# KiCad board raven.kicad_pcb
title: Raven 68060; date: 2024; rev: A0; company: Licensed under CERN-OHL-W v2; note: (c) 2024 Anders Granlund
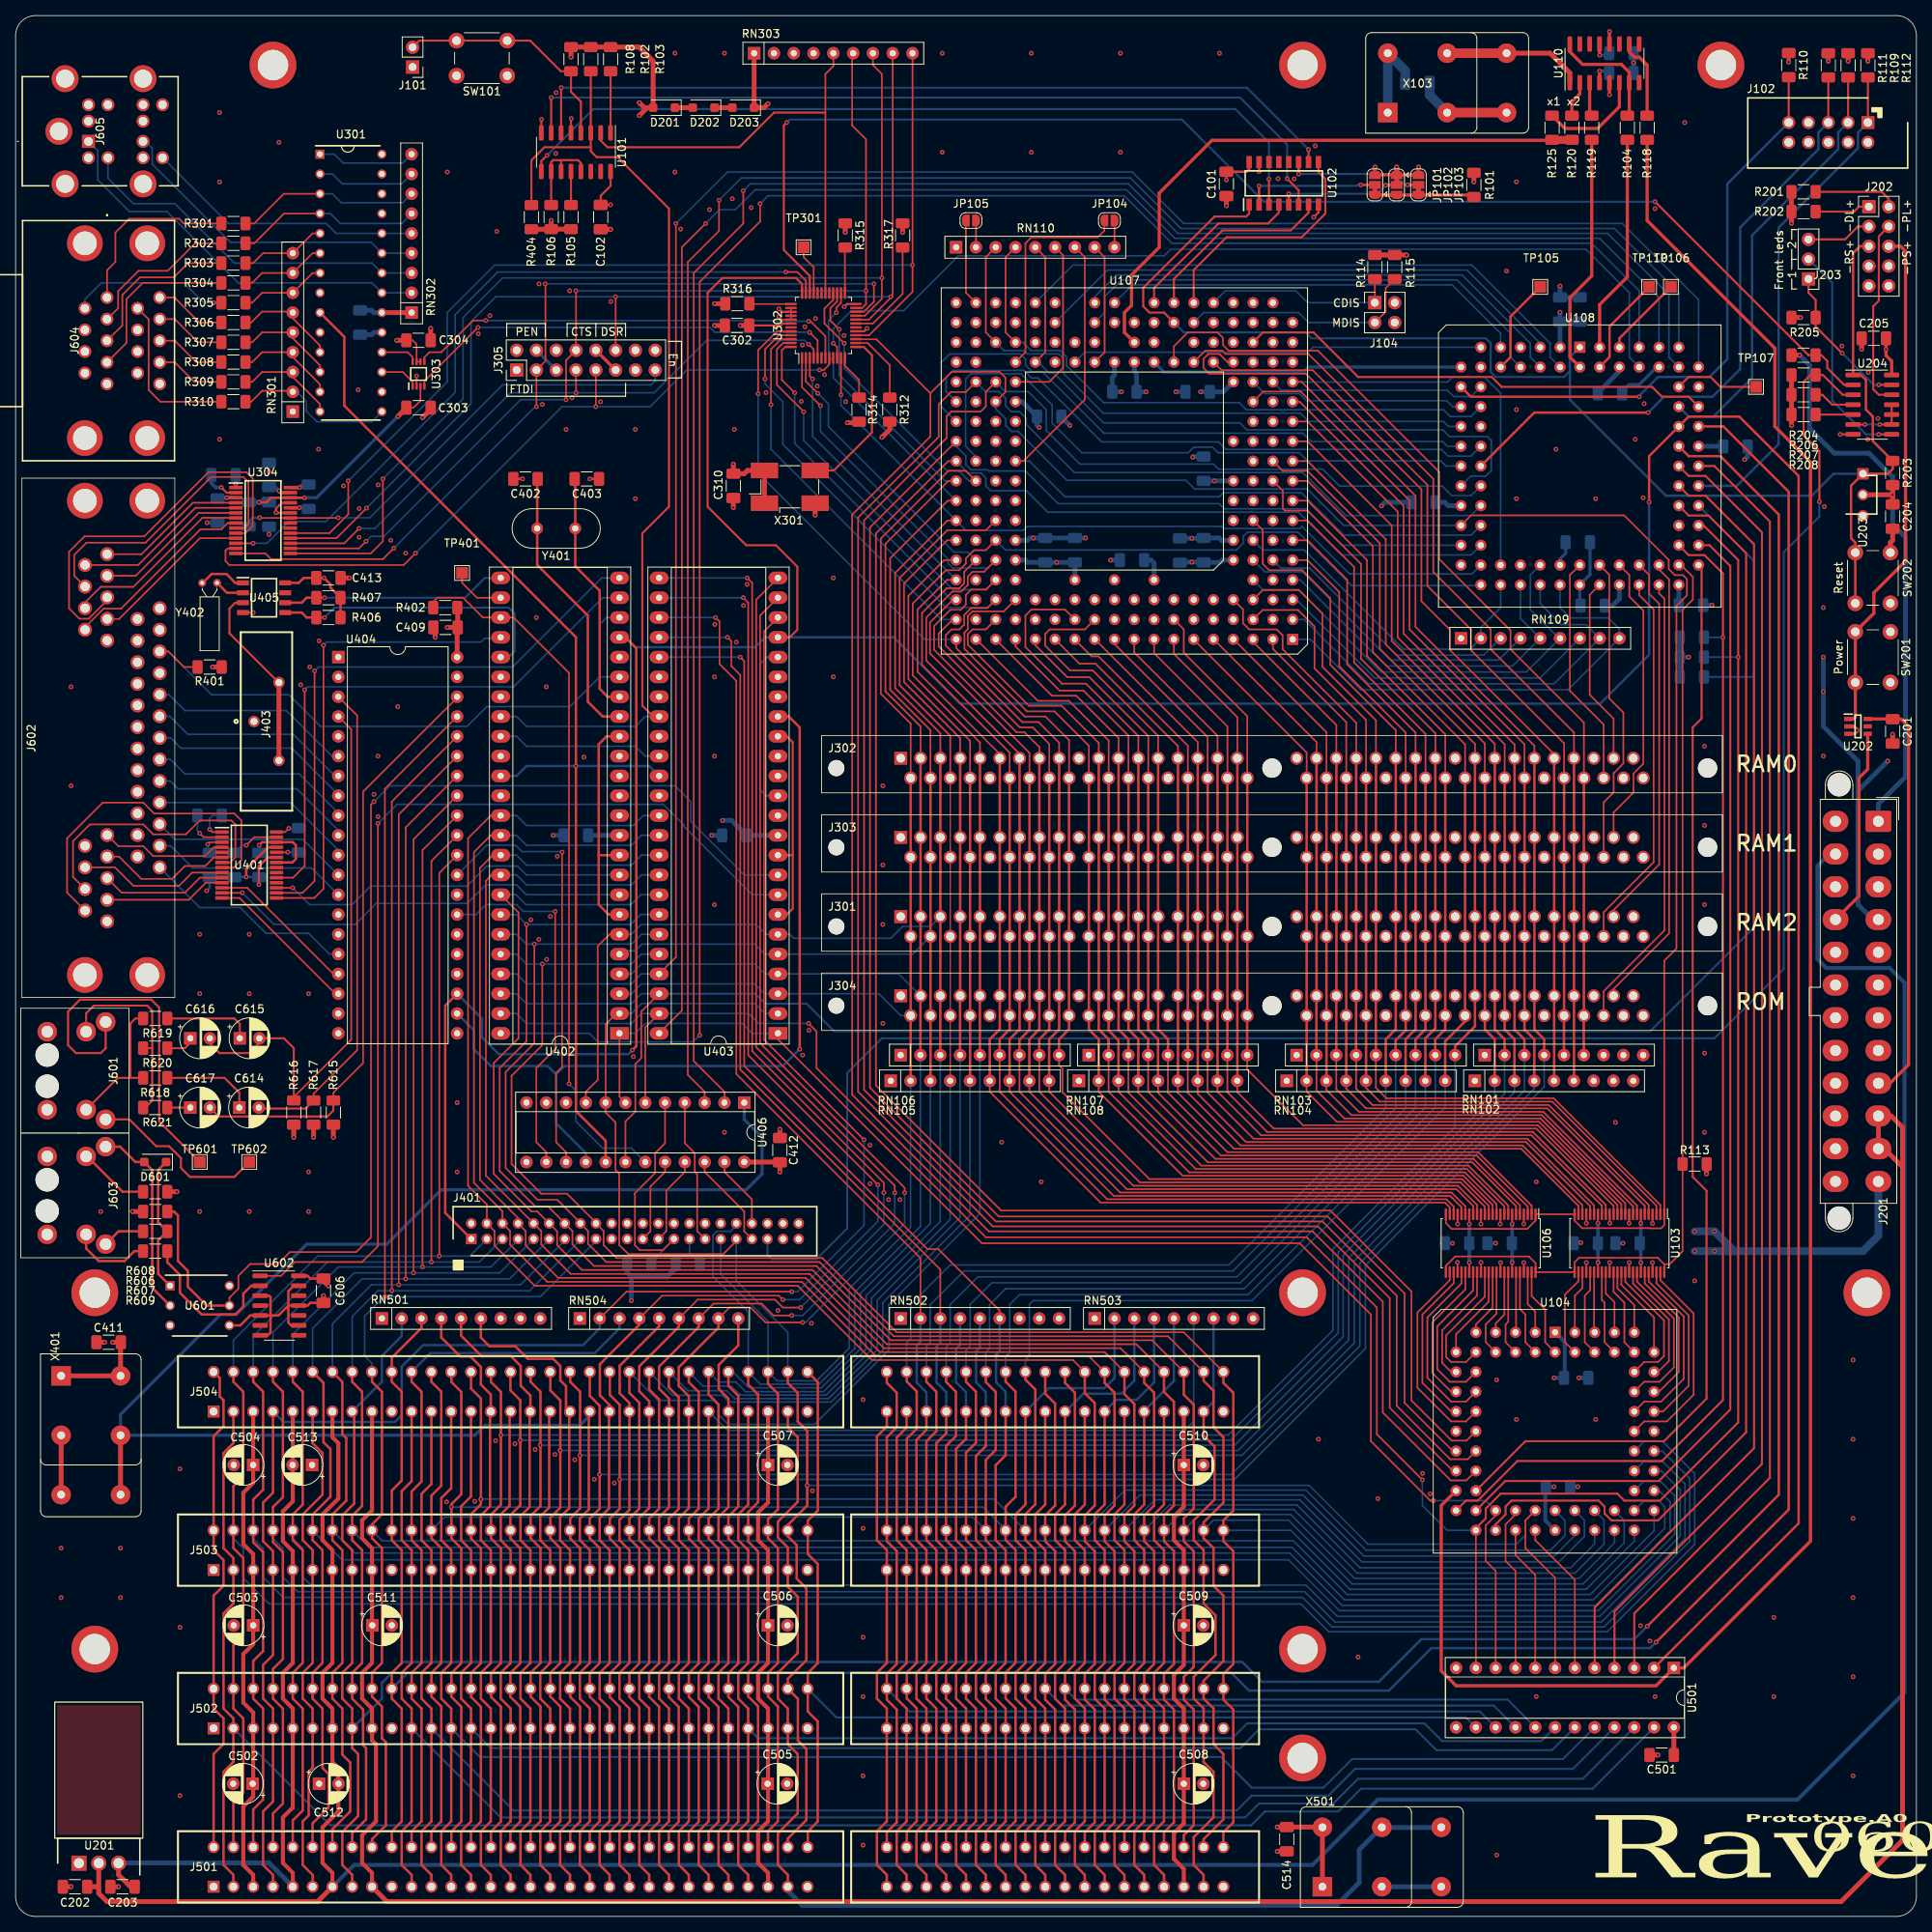
[diagram p0: board, top side]
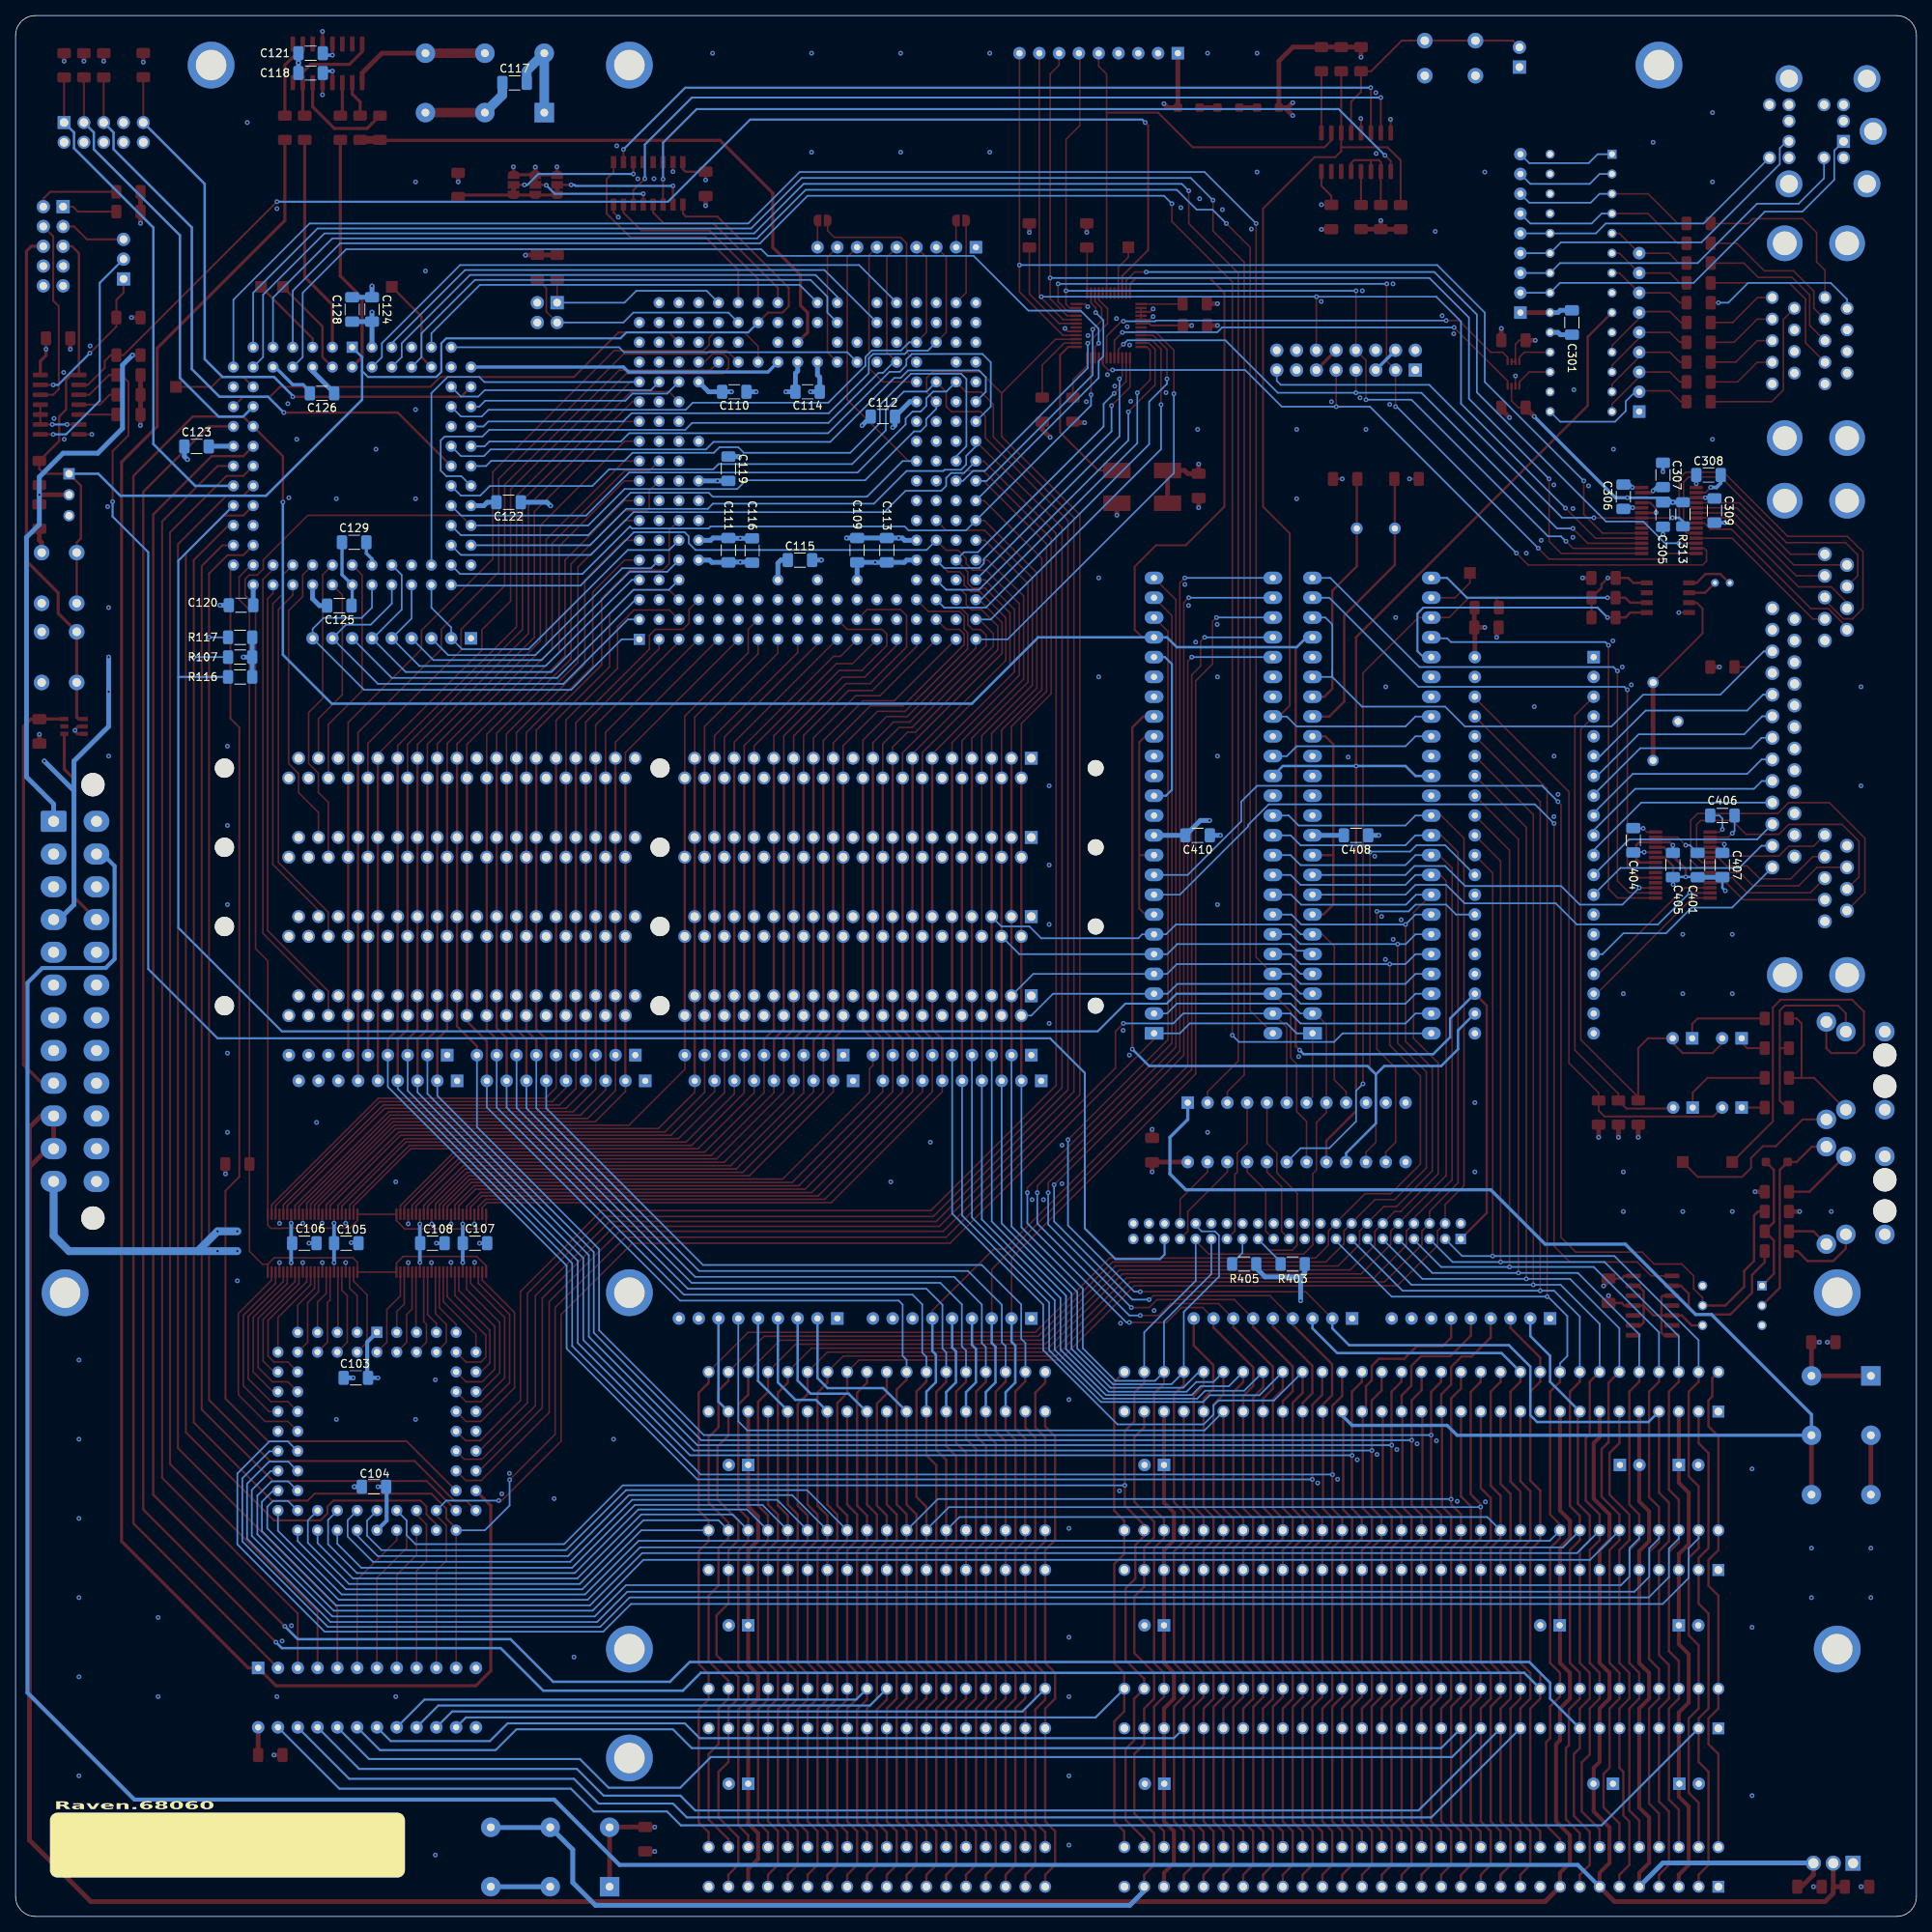
[diagram p1: board, bottom side, seen from below]

Outline 243.84 x 243.84 mm; copper layers: Top, In1.Cu (plane), In2.Cu (plane), In3.Cu, In4.Cu, Bottom. Coordinates in mm from the lower left corner of the outline.
Outline path: 0,241.3 0,2.54 arc(0.74,0.74) 2.54,0 241.3,0 arc(243.1,0.74) 243.84,2.54 243.84,241.3 arc(243.1,243.1) 241.3,243.84 2.54,243.84 arc(0.74,243.1) 0,241.3
Stack: Top 0.035mm / dielectric 0.0994mm FR4 er 4.5 / In1.Cu 0.0152mm / dielectric 0.55mm FR4 er 4.5 / In2.Cu 0.0152mm / dielectric 0.1088mm FR4 er 4.5 / In3.Cu 0.0152mm / dielectric 0.55mm FR4 er 4.5 / In4.Cu 0.0152mm / dielectric 0.0994mm FR4 er 4.5 / Bottom 0.035mm

## Placement (name value [footprint] x y rotation side)
C101  0.1u  [C_1206_3216Metric_Pad1.33x1.80mm_HandSolder]  155.32 222.25 270 top
C102  0.1u  [C_1206_3216Metric_Pad1.33x1.80mm_HandSolder]  75.06 217.99 270 top
C103  0.1u  [C_1206_3216Metric_Pad1.33x1.80mm_HandSolder]  200.19 69.09 0 bottom
C104  0.1u  [C_1206_3216Metric_Pad1.33x1.80mm_HandSolder]  197.87 55.12 0 bottom
C105  0.1u  [C_1206_3216Metric_Pad1.33x1.80mm_HandSolder]  201.42 86.36 180 bottom
C106  0.1u  [C_1206_3216Metric_Pad1.33x1.80mm_HandSolder]  206.79 86.36 180 bottom
C107  0.1u  [C_1206_3216Metric_Pad1.33x1.80mm_HandSolder]  184.91 86.36 180 bottom
C108  0.1u  [C_1206_3216Metric_Pad1.33x1.80mm_HandSolder]  190.37 86.36 180 bottom
C109  1u  [C_1206_3216Metric_Pad1.33x1.80mm_HandSolder]  135.89 175.26 270 bottom
C110  0.1u  [C_1206_3216Metric_Pad1.33x1.80mm_HandSolder]  151.64 195.58 0 bottom
C111  0.1u  [C_1206_3216Metric_Pad1.33x1.80mm_HandSolder]  152.4 175.26 270 bottom
C112  0.1u  [C_1206_3216Metric_Pad1.33x1.80mm_HandSolder]  132.59 192.41 180 bottom
C113  0.1u  [C_1206_3216Metric_Pad1.33x1.80mm_HandSolder]  132.08 175.26 270 bottom
C114  0.1u  [C_1206_3216Metric_Pad1.33x1.80mm_HandSolder]  142.24 195.58 180 bottom
C115  0.1u  [C_1206_3216Metric_Pad1.33x1.80mm_HandSolder]  143.22 173.99 0 bottom
C116  1u  [C_1206_3216Metric_Pad1.33x1.80mm_HandSolder]  149.35 175.22 270 bottom
C117  0.1u  [C_1206_3216Metric_Pad1.33x1.80mm_HandSolder]  179.83 235.2 180 bottom
C118  0.1u  [C_1206_3216Metric_Pad1.33x1.80mm_HandSolder]  205.99 239.01 180 bottom
C119  0.1u  [C_1206_3216Metric_Pad1.33x1.80mm_HandSolder]  152.4 185.71 270 bottom
C120  0.1u  [C_1206_3216Metric_Pad1.33x1.80mm_HandSolder]  214.92 168.2 180 bottom
C121  0.1u  [C_1206_3216Metric_Pad1.33x1.80mm_HandSolder]  205.99 236.47 180 bottom
C122  0.1u  [C_1206_3216Metric_Pad1.33x1.80mm_HandSolder]  180.59 181.41 0 bottom
C123  0.1u  [C_1206_3216Metric_Pad1.33x1.80mm_HandSolder]  220.62 188.57 180 bottom
C124  0.1u  [C_1206_3216Metric_Pad1.33x1.80mm_HandSolder]  198.12 206.15 270 bottom
C125  0.1u  [C_1206_3216Metric_Pad1.33x1.80mm_HandSolder]  202.31 168.15 180 bottom
C126  0.1u  [C_1206_3216Metric_Pad1.33x1.80mm_HandSolder]  204.53 195.38 0 bottom
C128  1u  [C_1206_3216Metric_Pad1.33x1.80mm_HandSolder]  200.66 206.15 270 bottom
C129  1u  [C_1206_3216Metric_Pad1.33x1.80mm_HandSolder]  200.41 176.28 0 bottom
C201  0.1u  [C_1206_3216Metric_Pad1.33x1.80mm_HandSolder]  240.79 152.02 270 top
C202  0.1u  [C_1206_3216Metric_Pad1.33x1.80mm_HandSolder]  7.62 3.81 180 top
C203  0.1u  [C_1206_3216Metric_Pad1.33x1.80mm_HandSolder]  13.72 3.81 180 top
C204  0.1u  [C_1206_3216Metric_Pad1.33x1.80mm_HandSolder]  240.79 179.58 270 top
C205  0.1u  [C_1206_3216Metric_Pad1.33x1.80mm_HandSolder]  238.38 202.44 180 top
C301  0.1u  [C_1206_3216Metric_Pad1.33x1.80mm_HandSolder]  44.2 204.47 90 bottom
C302  0.1u  [C_1206_3216Metric_Pad1.33x1.80mm_HandSolder]  92.54 204.09 180 top
C303  0.1u  [C_1206_3216Metric_Pad1.33x1.80mm_HandSolder]  51.69 193.55 180 top
C304  0.1u  [C_1206_3216Metric_Pad1.33x1.80mm_HandSolder]  51.69 202.18 0 top
C305  0.1u  [C_1206_3216Metric_Pad1.33x1.80mm_HandSolder]  32.51 179.83 270 bottom
C306  0.1u  [C_1206_3216Metric_Pad1.33x1.80mm_HandSolder]  37.59 182.12 90 bottom
C307  0.1u  [C_1206_3216Metric_Pad1.33x1.80mm_HandSolder]  32.51 184.91 90 bottom
C308  0.1u  [C_1206_3216Metric_Pad1.33x1.80mm_HandSolder]  26.67 184.91 0 bottom
C309  0.1u  [C_1206_3216Metric_Pad1.33x1.80mm_HandSolder]  25.91 180.34 270 bottom
C310  0.01u  [C_1206_3216Metric_Pad1.33x1.80mm_HandSolder]  92.07 183.52 270 top
C401  0.1u  [C_1206_3216Metric_Pad1.33x1.80mm_HandSolder]  31.24 134.87 270 bottom
C402  33p  [C_1206_3216Metric_Pad1.33x1.80mm_HandSolder]  65.41 184.4 0 top
C403  33p  [C_1206_3216Metric_Pad1.33x1.80mm_HandSolder]  73.28 184.4 180 top
C404  0.1u  [C_1206_3216Metric_Pad1.33x1.80mm_HandSolder]  36.32 138.05 90 bottom
C405  0.1u  [C_1206_3216Metric_Pad1.33x1.80mm_HandSolder]  28.07 134.87 270 bottom
C406  0.1u  [C_1206_3216Metric_Pad1.33x1.80mm_HandSolder]  24.89 141.22 0 bottom
C407  0.1u  [C_1206_3216Metric_Pad1.33x1.80mm_HandSolder]  24.89 134.87 270 bottom
C408  0.1u  [C_1206_3216Metric_Pad1.33x1.80mm_HandSolder]  71.88 138.68 0 bottom
C409  0.1u  [C_1206_3216Metric_Pad1.33x1.80mm_HandSolder]  55.16 165.35 180 top
C410  0.1u  [C_1206_3216Metric_Pad1.33x1.80mm_HandSolder]  92.2 138.68 0 bottom
C411  0.1u  [C_1206_3216Metric_Pad1.33x1.80mm_HandSolder]  11.94 73.66 0 top
C412  0.1u  [C_1206_3216Metric_Pad1.33x1.80mm_HandSolder]  98.04 98.3 90 top
C413  0.1u  [C_1206_3216Metric_Pad1.33x1.80mm_HandSolder]  40.13 171.7 180 top
C501  0.1u  [C_1206_3216Metric_Pad1.33x1.80mm_HandSolder]  211.16 20.7 180 top
C502  10u  [CP_Radial_D5.0mm_P2.50mm]  30.42 17.02 180 top
C503  10u  [CP_Radial_D5.0mm_P2.50mm]  30.48 37.34 180 top
C504  10u  [CP_Radial_D5.0mm_P2.50mm]  30.48 57.91 180 top
C505  10u  [CP_Radial_D5.0mm_P2.50mm]  96.48 17.02 0 top
C506  10u  [CP_Radial_D5.0mm_P2.50mm]  96.52 37.34 0 top
C507  10u  [CP_Radial_D5.0mm_P2.50mm]  96.52 57.91 0 top
C508  10u  [CP_Radial_D5.0mm_P2.50mm]  149.86 17.02 0 top
C509  10u  [CP_Radial_D5.0mm_P2.50mm]  149.86 37.34 0 top
C510  10u  [CP_Radial_D5.0mm_P2.50mm]  149.86 57.91 0 top
C511  10u  [CP_Radial_D5.0mm_P2.50mm]  45.76 37.34 0 top
C512  10u  [CP_Radial_D5.0mm_P2.50mm]  38.93 17.02 0 top
C513  10u  [CP_Radial_D5.0mm_P2.50mm]  38.04 57.91 180 top
C514  0.1u  [C_1206_3216Metric_Pad1.33x1.80mm_HandSolder]  163.07 9.91 90 top
C606  0.1u  [C_1206_3216Metric_Pad1.33x1.80mm_HandSolder]  39.5 80.26 270 top
C614  4u7  [CP_Radial_D5.0mm_P2.50mm]  28.7 103.76 0 top
C615  4u7  [CP_Radial_D5.0mm_P2.50mm]  28.77 112.65 0 top
C616  4u7  [CP_Radial_D5.0mm_P2.50mm]  22.42 112.65 0 top
C617  4u7  [CP_Radial_D5.0mm_P2.50mm]  22.42 103.76 0 top
D201  1A 50V  [D_SOD-123F]  83.18 232.03 180 top
D202  1A 50V  [D_SOD-123F]  88.26 232.03 180 top
D203  1A 50V  [D_SOD-123F]  93.34 232.03 180 top
D601  1N914  [D_SOD-123F]  17.91 96.77 180 top
H601  MountingHole_Pad-Mechanical  [ATX_hole]  10.16 34.29 90 top
H602  MountingHole_Pad-Mechanical  [ATX_hole]  165.1 34.29 90 top
H603  MountingHole_Pad-Mechanical  [ATX_hole]  10.16 80.01 90 top
H604  MountingHole_Pad-Mechanical  [ATX_hole]  165.1 80.01 90 top
H605  MountingHole_Pad-Mechanical  [ATX_hole]  33.02 237.49 90 top
H606  MountingHole_Pad-Mechanical  [ATX_hole]  165.1 237.49 90 top
H607  MountingHole_Pad-Mechanical  [ATX_hole]  165.1 20.32 90 top
H608  MountingHole_Pad-Mechanical  [ATX_hole]  237.49 80.01 90 top
H609  MountingHole_Pad-Mechanical  [ATX_hole]  218.76 237.49 90 top
J101  Conn_01x02  [PinHeader_1x02_P2.54mm_Vertical]  50.93 237.24 180 top
J102  JTAG IN  [SHDR10W64P254_2X5_2036X885X925P]  237.62 230.12 180 top
J104  Conn_02x02  [PinHeader_2x02_P2.54mm_Vertical]  174.37 207.01 0 top
J201  ATX Power  [ATX_pwr24]  238.96 140.48 270 top
J202  Conn_02x08  [PinHeader_2x05_P2.54mm_Vertical]  237.74 219.33 0 top
J203  Conn_01x03  [PinHeader_1x03_P2.54mm_Vertical]  230 210.06 180 top
J301  SIMM72  [SIMM72_v_lpol]  113.55 128.26 0 top
J302  SIMM72  [SIMM72_v_lpol]  113.55 148.58 0 top
J303  SIMM72  [SIMM72_v_lpol]  113.55 138.42 0 top
J304  SIMM72  [SIMM72_v_lpol]  113.55 118.1 0 top
J305  Conn_02x08  [PinHeader_2x08_P2.54mm_Vertical]  64.28 198.37 90 top
J401  IDE44  [SHDR44W55P200_2X22_4665X630X640P]  58.45 86.9 0 top
J403  -  [S8401-46]  32.18 153.29 90 top
J501  -  [ISA16]  90.17 6.35 180 top
J502  -  [ISA16]  90.17 26.67 180 top
J503  -  [ISA16]  90.17 46.99 180 top
J504  -  [ISA16]  90.17 67.31 180 top
J601  STX-4235-33  [STX4235-33]  9.05 108.49 270 top
J602  DB25/9/9  [L17H26R0121]  18.48 167.81 270 top
J603  STX-4235-33  [STX4235-33]  9.05 92.49 270 top
J604  DB9M/9M  [K42XE9PPA4NJ]  11.73 207.68 270 top
J605  PS/2 (dual)  [KMDGX6SGPS4N]  9.35 227.7 90 top
JP101  ~  [SolderJumper-3_P1.3mm_Bridged12_RoundedPad1.0x1.5mm]  174.37 222.12 90 top
JP102  ~  [SolderJumper-3_P1.3mm_Bridged23_RoundedPad1.0x1.5mm]  177.16 222.12 90 top
JP103  ~  [SolderJumper-3_P1.3mm_Bridged12_RoundedPad1.0x1.5mm]  179.96 222.12 90 top
JP104  ~  [SolderJumper-2_P1.3mm_Open_RoundedPad1.0x1.5mm]  140.32 217.55 180 top
JP105  ~  [SolderJumper-2_P1.3mm_Open_RoundedPad1.0x1.5mm]  122.55 217.55 180 top
R101  10K  [R_1206_3216Metric_Pad1.30x1.75mm_HandSolder]  187.07 222.12 270 top
R102  10K  [R_1206_3216Metric_Pad1.30x1.75mm_HandSolder]  73.79 238.25 270 top
R103  10K  [R_1206_3216Metric_Pad1.30x1.75mm_HandSolder]  76.33 238.25 270 top
R104  33  [R_1206_3216Metric_Pad1.30x1.75mm_HandSolder]  206.76 229.45 90 top
R105  10K  [R_1206_3216Metric_Pad1.30x1.75mm_HandSolder]  71.25 217.99 90 top
R106  10K  [R_1206_3216Metric_Pad1.30x1.75mm_HandSolder]  68.71 217.99 90 top
R107  1K  [R_1206_3216Metric_Pad1.30x1.75mm_HandSolder]  215.04 161.54 0 bottom
R108  10K  [R_1206_3216Metric_Pad1.30x1.75mm_HandSolder]  71.25 238.25 270 top
R109  10K  [R_1206_3216Metric_Pad1.30x1.75mm_HandSolder]  235.08 237.46 270 top
R110  4K7  [R_1206_3216Metric_Pad1.30x1.75mm_HandSolder]  227.46 237.49 270 top
R111  4K7  [R_1206_3216Metric_Pad1.30x1.75mm_HandSolder]  232.54 237.46 270 top
R112  4K7  [R_1206_3216Metric_Pad1.30x1.75mm_HandSolder]  237.62 237.46 270 top
R113  1K  [R_1206_3216Metric_Pad1.30x1.75mm_HandSolder]  215.39 96.52 180 top
R114  10K  [R_1206_3216Metric_Pad1.30x1.75mm_HandSolder]  174.37 211.58 270 top
R115  10K  [R_1206_3216Metric_Pad1.30x1.75mm_HandSolder]  176.91 211.58 270 top
R116  1K  [R_1206_3216Metric_Pad1.30x1.75mm_HandSolder]  215.04 159 0 bottom
R117  1K  [R_1206_3216Metric_Pad1.30x1.75mm_HandSolder]  215.04 164.08 0 bottom
R118  33  [R_1206_3216Metric_Pad1.30x1.75mm_HandSolder]  209.3 229.45 90 top
R119  33  [R_1206_3216Metric_Pad1.30x1.75mm_HandSolder]  202.18 229.45 90 top
R120  33  [R_1206_3216Metric_Pad1.30x1.75mm_HandSolder]  199.64 229.45 90 top
R125  33  [R_1206_3216Metric_Pad1.30x1.75mm_HandSolder]  197.1 229.45 90 top
R201  470  [R_1206_3216Metric_Pad1.30x1.75mm_HandSolder]  229.36 221.23 0 top
R202  470  [R_1206_3216Metric_Pad1.30x1.75mm_HandSolder]  229.36 218.69 0 top
R203  1K  [R_1206_3216Metric_Pad1.30x1.75mm_HandSolder]  240.79 185.17 90 top
R204  10K  [R_1206_3216Metric_Pad1.30x1.75mm_HandSolder]  229.36 200.28 180 top
R205  10K  [R_1206_3216Metric_Pad1.30x1.75mm_HandSolder]  229.36 205.11 180 top
R206  10K  [R_1206_3216Metric_Pad1.30x1.75mm_HandSolder]  229.36 197.74 180 top
R207  10K  [R_1206_3216Metric_Pad1.30x1.75mm_HandSolder]  229.36 195.2 180 top
R208  10K  [R_1206_3216Metric_Pad1.30x1.75mm_HandSolder]  229.36 192.66 180 top
R301  470  [R_1206_3216Metric_Pad1.30x1.75mm_HandSolder]  27.94 217.17 0 top
R302  470  [R_1206_3216Metric_Pad1.30x1.75mm_HandSolder]  27.94 214.63 0 top
R303  470  [R_1206_3216Metric_Pad1.30x1.75mm_HandSolder]  27.94 212.09 0 top
R304  470  [R_1206_3216Metric_Pad1.30x1.75mm_HandSolder]  27.94 209.55 0 top
R305  470  [R_1206_3216Metric_Pad1.30x1.75mm_HandSolder]  27.94 207.01 0 top
R306  470  [R_1206_3216Metric_Pad1.30x1.75mm_HandSolder]  27.94 204.47 0 top
R307  470  [R_1206_3216Metric_Pad1.30x1.75mm_HandSolder]  27.94 201.93 0 top
R308  470  [R_1206_3216Metric_Pad1.30x1.75mm_HandSolder]  27.94 199.39 0 top
R309  470  [R_1206_3216Metric_Pad1.30x1.75mm_HandSolder]  27.94 196.85 0 top
R310  470  [R_1206_3216Metric_Pad1.30x1.75mm_HandSolder]  27.94 194.31 0 top
R312  2K2  [R_1206_3216Metric_Pad1.30x1.75mm_HandSolder]  112.14 193.29 90 top
R313  10K  [R_1206_3216Metric_Pad1.30x1.75mm_HandSolder]  29.95 179.86 90 bottom
R314  0  [R_1206_3216Metric_Pad1.30x1.75mm_HandSolder]  108.2 193.29 90 top
R315  0  [R_1206_3216Metric_Pad1.30x1.75mm_HandSolder]  106.43 215.65 270 top
R316  0  [R_1206_3216Metric_Pad1.30x1.75mm_HandSolder]  92.58 206.88 0 top
R317  0  [R_1206_3216Metric_Pad1.30x1.75mm_HandSolder]  113.79 215.65 270 top
R401  1K  [R_1206_3216Metric_Pad1.30x1.75mm_HandSolder]  24.89 160.27 180 top
R402  1K  [R_1206_3216Metric_Pad1.30x1.75mm_HandSolder]  55.12 167.89 180 top
R403  2K2  [R_1206_3216Metric_Pad1.30x1.75mm_HandSolder]  80.01 83.69 0 bottom
R404  1K  [R_1206_3216Metric_Pad1.30x1.75mm_HandSolder]  66.17 217.98 90 top
R405  10K  [R_1206_3216Metric_Pad1.30x1.75mm_HandSolder]  86.23 83.69 0 bottom
R406  2K2  [R_1206_3216Metric_Pad1.30x1.75mm_HandSolder]  40.13 166.62 180 top
R407  2K2  [R_1206_3216Metric_Pad1.30x1.75mm_HandSolder]  40.13 169.16 180 top
R606  4K7  [R_1206_3216Metric_Pad1.30x1.75mm_HandSolder]  17.91 90.42 180 top
R607  220  [R_1206_3216Metric_Pad1.30x1.75mm_HandSolder]  17.91 87.88 0 top
R608  220  [R_1206_3216Metric_Pad1.30x1.75mm_HandSolder]  17.91 92.96 0 top
R609  220  [R_1206_3216Metric_Pad1.30x1.75mm_HandSolder]  17.91 85.34 180 top
R615  1K  [R_1206_3216Metric_Pad1.30x1.75mm_HandSolder]  40.77 103.12 270 top
R616  1K  [R_1206_3216Metric_Pad1.30x1.75mm_HandSolder]  35.69 103.12 270 top
R617  1K  [R_1206_3216Metric_Pad1.30x1.75mm_HandSolder]  38.23 103.12 270 top
R618  4K7  [R_1206_3216Metric_Pad1.30x1.75mm_HandSolder]  17.91 107.57 0 top
R619  4K7  [R_1206_3216Metric_Pad1.30x1.75mm_HandSolder]  17.91 115.19 0 top
R620  4K7  [R_1206_3216Metric_Pad1.30x1.75mm_HandSolder]  17.91 111.38 0 top
R621  4K7  [R_1206_3216Metric_Pad1.30x1.75mm_HandSolder]  17.91 103.76 0 top
RN101  1K  [R_Array_SIP9]  188.47 110.49 0 top
RN102  1K  [R_Array_SIP9]  187.2 107.19 0 top
RN103  1K  [R_Array_SIP9]  164.34 110.49 0 top
RN104  1K  [R_Array_SIP9]  163.07 107.19 0 top
RN105  1K  [R_Array_SIP9]  112.27 107.19 0 top
RN106  1K  [R_Array_SIP9]  113.54 110.49 0 top
RN107  1K  [R_Array_SIP9]  137.67 110.49 0 top
RN108  1K  [R_Array_SIP9]  136.4 107.19 0 top
RN109  1K  [R_Array_SIP9]  185.42 163.96 0 top
RN110  1K  [R_Array_SIP9]  120.65 214.12 0 top
RN301  2K2  [R_Array_SIP9]  35.56 193.04 90 top
RN302  2K2  [R_Array_SIP9]  50.8 205.74 90 top
RN303  1K  [R_Array_SIP9]  94.74 239.01 0 top
RN501  4K7  [R_Array_SIP9]  46.99 76.71 0 top
RN502  4K7  [R_Array_SIP9]  113.54 76.71 0 top
RN503  4K7  [R_Array_SIP9]  138.43 76.71 0 top
RN504  4K7  [R_Array_SIP9]  72.39 76.71 0 top
SW101  SW_Push  [SW_PUSH_6mm_H4.3mm]  63.07 236.13 180 top
SW201  SW_Push  [SW_PUSH_6mm_H4.3mm]  240.5 164.79 270 top
SW202  SW_Push  [SW_PUSH_6mm_H4.3mm]  236 168.45 90 top
TP105  TP_CPLD_IOA5  [TestPoint_Pad_1.5x1.5mm]  195.58 209.04 0 top
TP106  TP_CPLD_IOA5  [TestPoint_Pad_1.5x1.5mm]  212.34 209.04 0 top
TP107  TP_CPLD_IOA5  [TestPoint_Pad_1.5x1.5mm]  223.27 196.22 0 top
TP110  TP_CPLD_IOA5  [TestPoint_Pad_1.5x1.5mm]  209.55 209.04 0 top
TP301  ~  [TestPoint_Pad_1.5x1.5mm]  101.09 214.12 0 top
TP401  ~  [TestPoint_Pad_1.5x1.5mm]  57.28 172.34 0 top
TP601  TP_CPLD_IOA5  [TestPoint_Pad_1.5x1.5mm]  23.62 96.77 0 top
TP602  TP_CPLD_IOA5  [TestPoint_Pad_1.5x1.5mm]  29.97 96.77 0 top
U101  74LS148  [SOIC-16_3.9x9.9mm_P1.27mm]  71.88 226.31 270 top
U102  74AHC157  [SOIC127P600X175-16N]  162.69 222.32 90 top
U103  SN74LVCH16245  [TSSOP-48_6.1x12.5mm_P0.5mm]  205.74 86.36 270 top
U104  MC68150  [PLCC-68_THT-Socket]  197.48 74.93 0 top
U106  SN74LVCH16245  [TSSOP-48_6.1x12.5mm_P0.5mm]  189.23 86.36 270 top
U107  MC68060  [MC68060_PGA206]  142.24 184.4 0 top
U108  ATF1508  [PLCC-84_THT-Socket]  200.66 201.3 0 top
U110  CY2308  [SOIC-16_3.9x9.9mm_P1.27mm]  203.83 237.71 90 top
U201  LM7905CT_NOPB  [TO254P470X1028X1955-3P]  8.13 6.83 0 top
U202  MAX16054AZT+T  [SOT95P275X110-6N]  236.35 152.65 0 top
U203  DS1818  [DS1813]  236.98 185.06 270 top
U204  74HCT10  [SOIC-14_3.9x8.7mm_P1.27mm]  238.19 193.93 0 top
U301  PIC16F876A-I_SP  [DIP794W56P254L3467H406Q28N]  43.02 209.55 0 top
U302  XR68M752  [TQFP-48_7x7mm_P0.5mm]  103.63 204.09 90 top
U303  TXU0202DCUR  [SOP50P310X90-8N]  51.69 197.87 90 top
U304  MAX3245CAI+T  [SOP65P778X199-28N]  31.75 179.07 0 top
U401  MAX3245CAI+T  [SOP65P778X199-28N]  29.97 134.87 0 top
U402  MC68901  [DIP-48_W15.24mm_Socket_LongPads]  77.47 113.28 180 top
U403  MC68901  [DIP-48_W15.24mm_Socket_LongPads]  97.79 113.28 180 top
U404  YM2149  [DIP-40_W15.24mm]  41.4 161.54 0 top
U405  DS1307  [SOIC127P600X175-8N]  31.88 169.16 0 top
U406  ATF22V10C-15PU  [DIP-24_W7.62mm_Socket]  93.47 104.39 270 top
U501  ATF22V10C-15PU  [DIP-24_W7.62mm_Socket]  212.72 31.88 270 top
U601  CNY17F-3  [DIP762W60P254L730H430Q6N]  23.62 78.36 0 top
U602  74LS07  [SOIC-14_3.9x8.7mm_P1.27mm]  33.85 78.36 0 top
X103  32Mhz (3.3V)  [Oscillator_DIP-8-16]  176.02 231.39 0 top
X301  24Mhz (3.3V)  [Oscillator_SMD_EuroQuartz_XO91-4Pin_7.0x5.0mm_HandSoldering]  99.31 183.39 0 top
X401  8Mhz (5V)  [Oscillator_DIP-8-16]  5.84 69.34 270 top
X501  14.31818Mhz (5V)  [Oscillator_DIP-8-16]  167.64 3.81 0 top
Y401  2.4576Mhz  [Crystal_HC49-U_Vertical]  71.79 178.05 180 top
Y402  32.768kHz  [Crystal_C26-LF_D2.1mm_L6.5mm_Horizontal]  23.94 171.07 0 top
